# Altium PCB PCBDesign.PcbDoc (part 1 of 8) (continued)
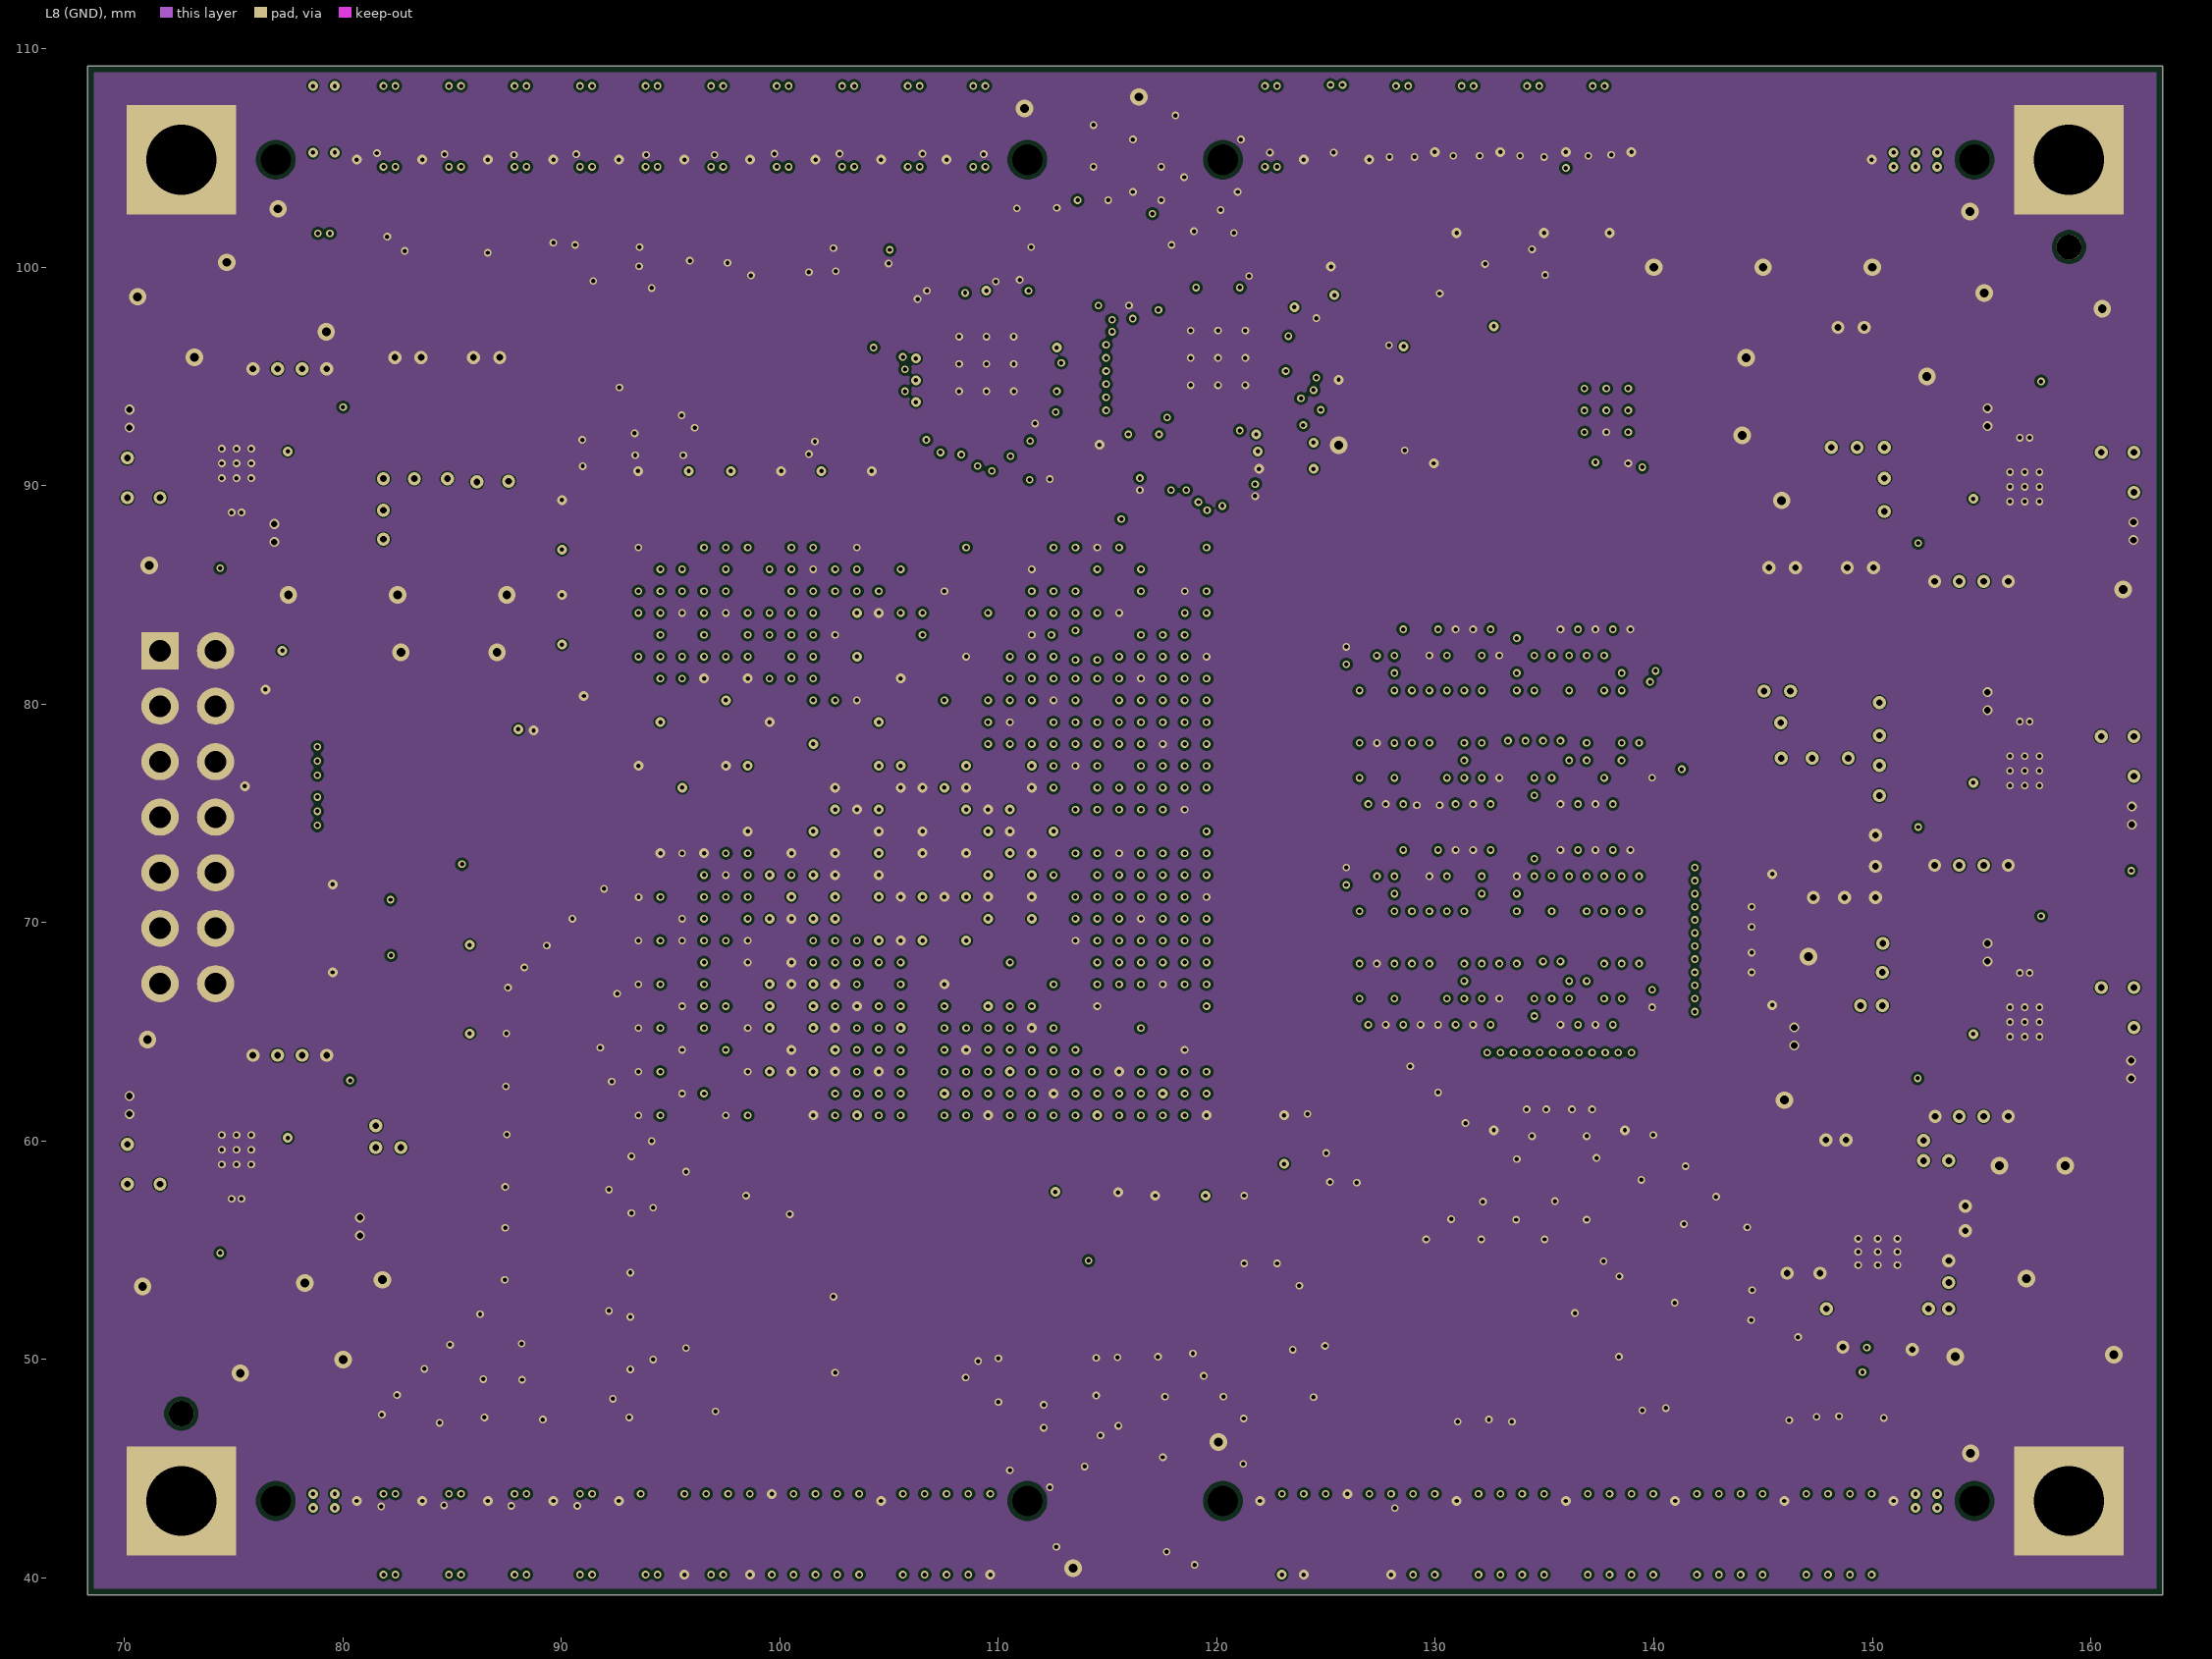
[diagram p8: L8 (GND)]
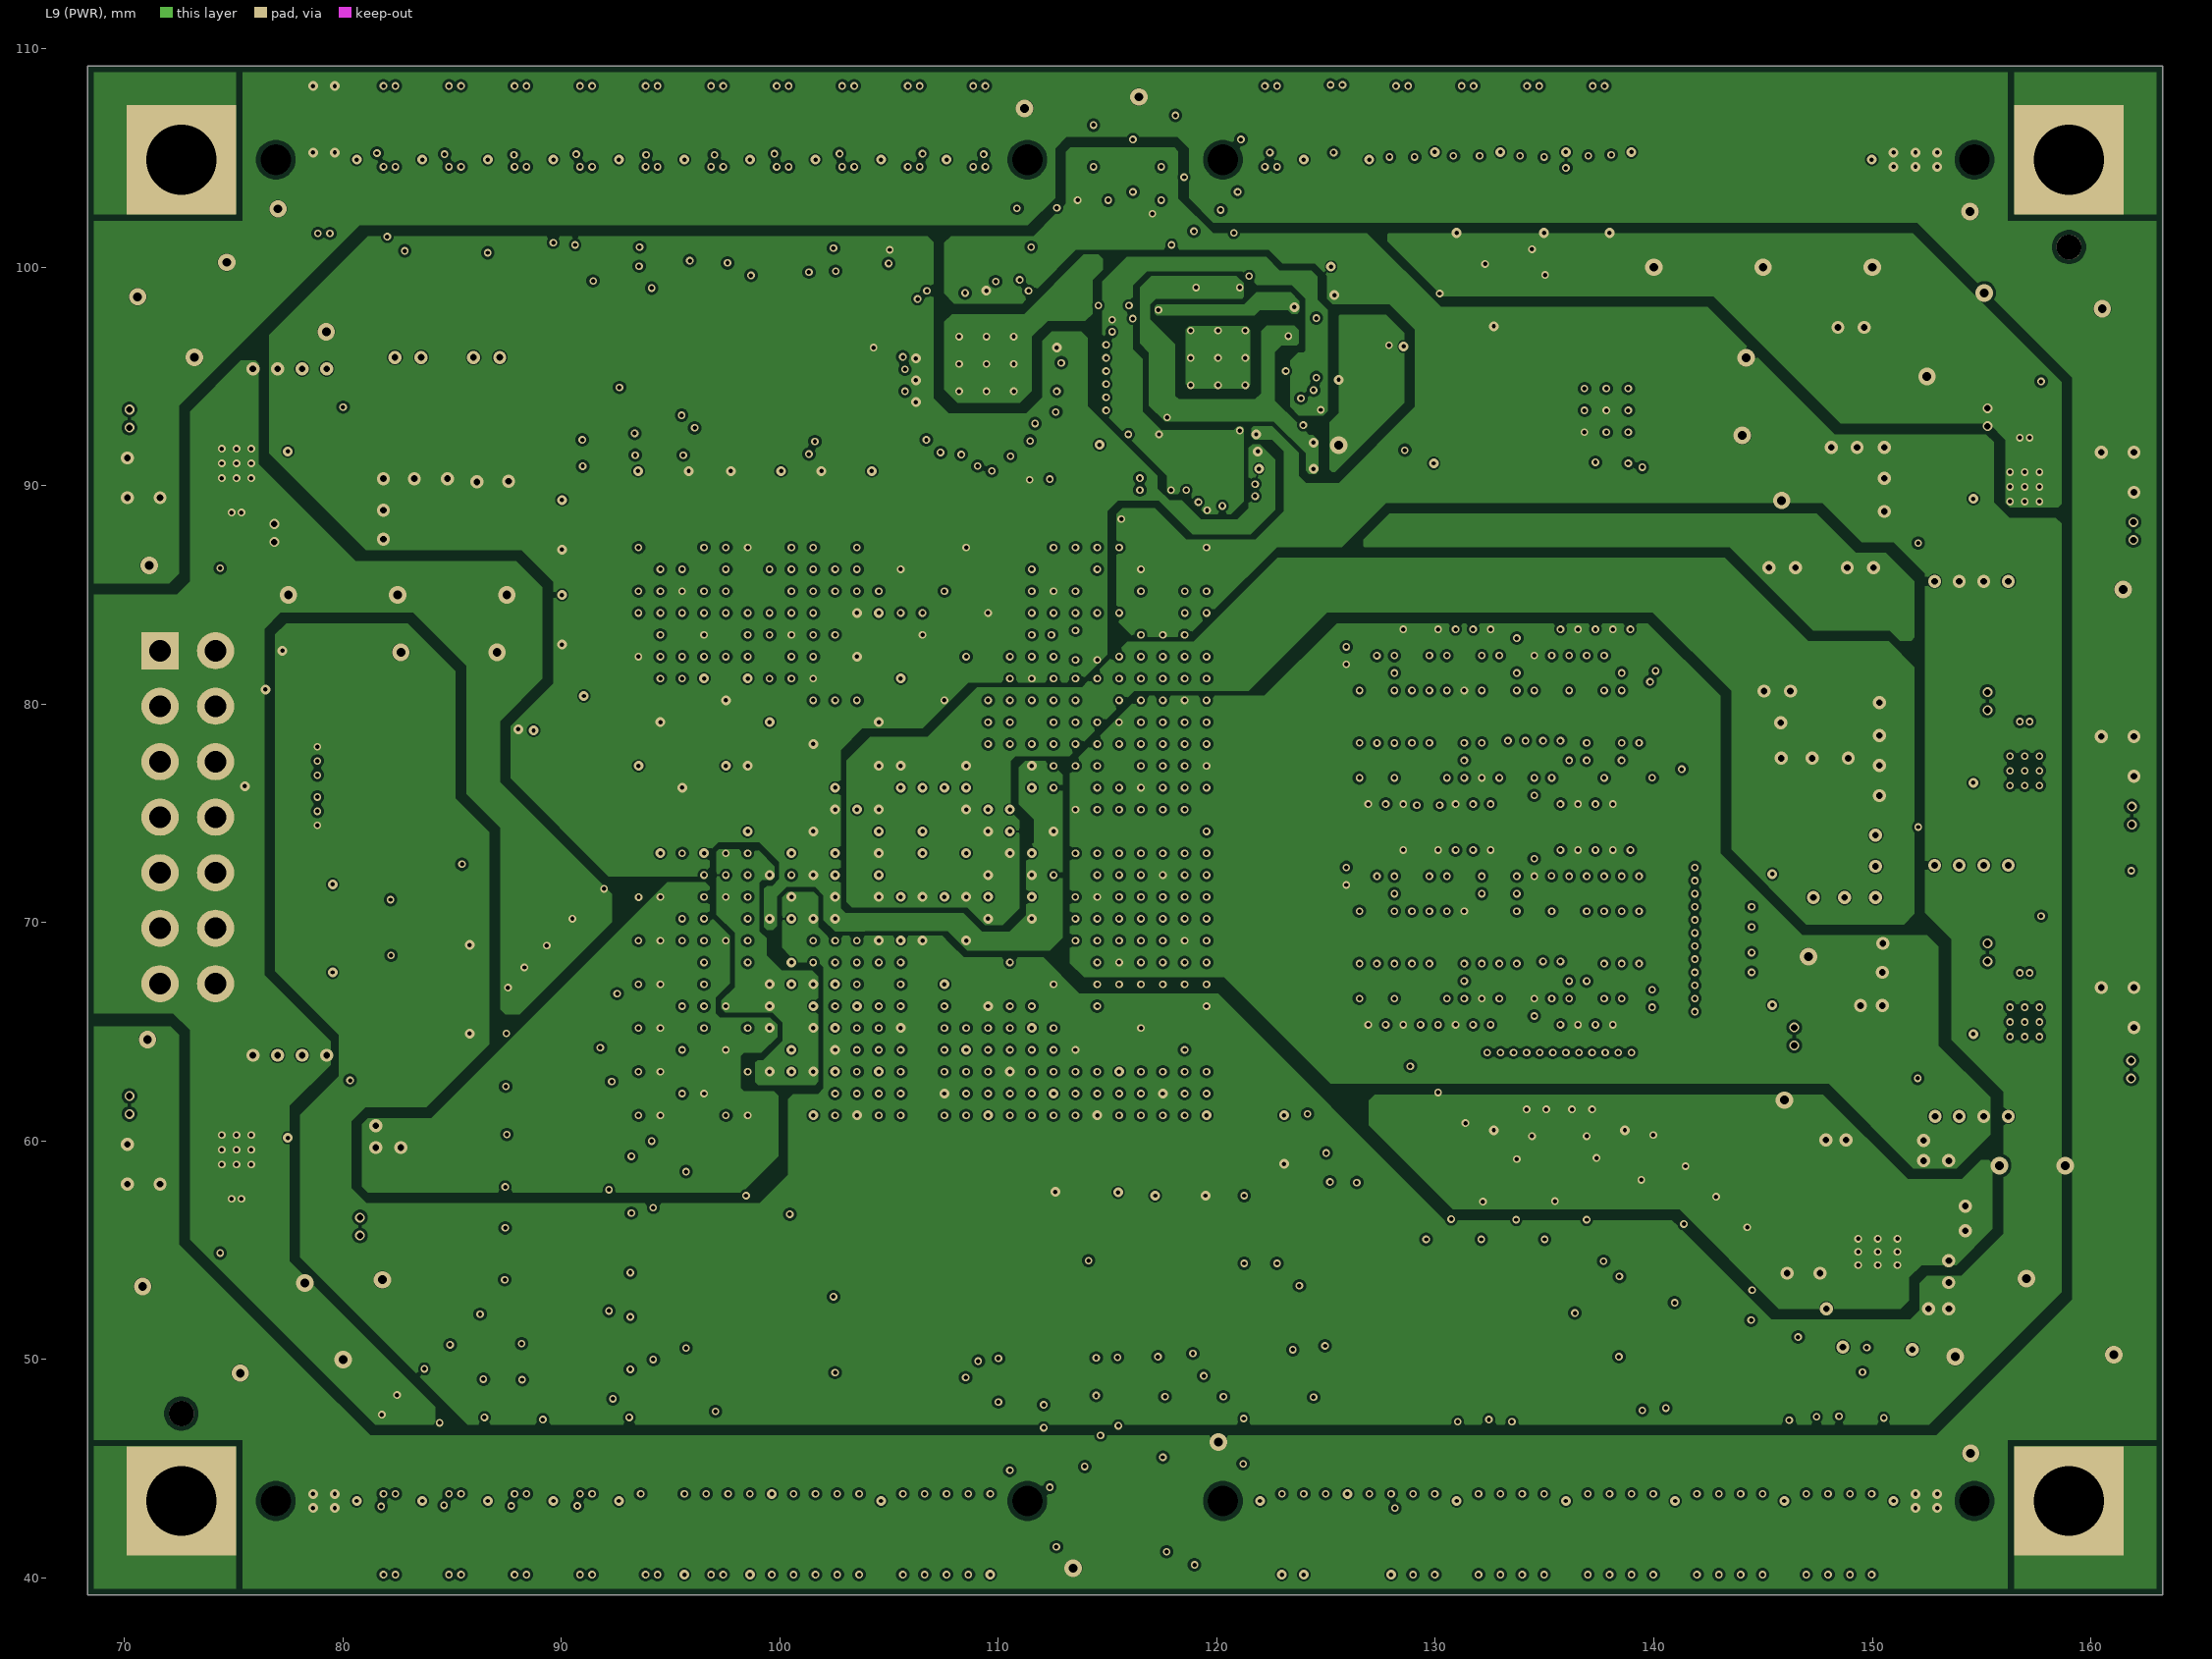
[diagram p9: L9 (PWR)]
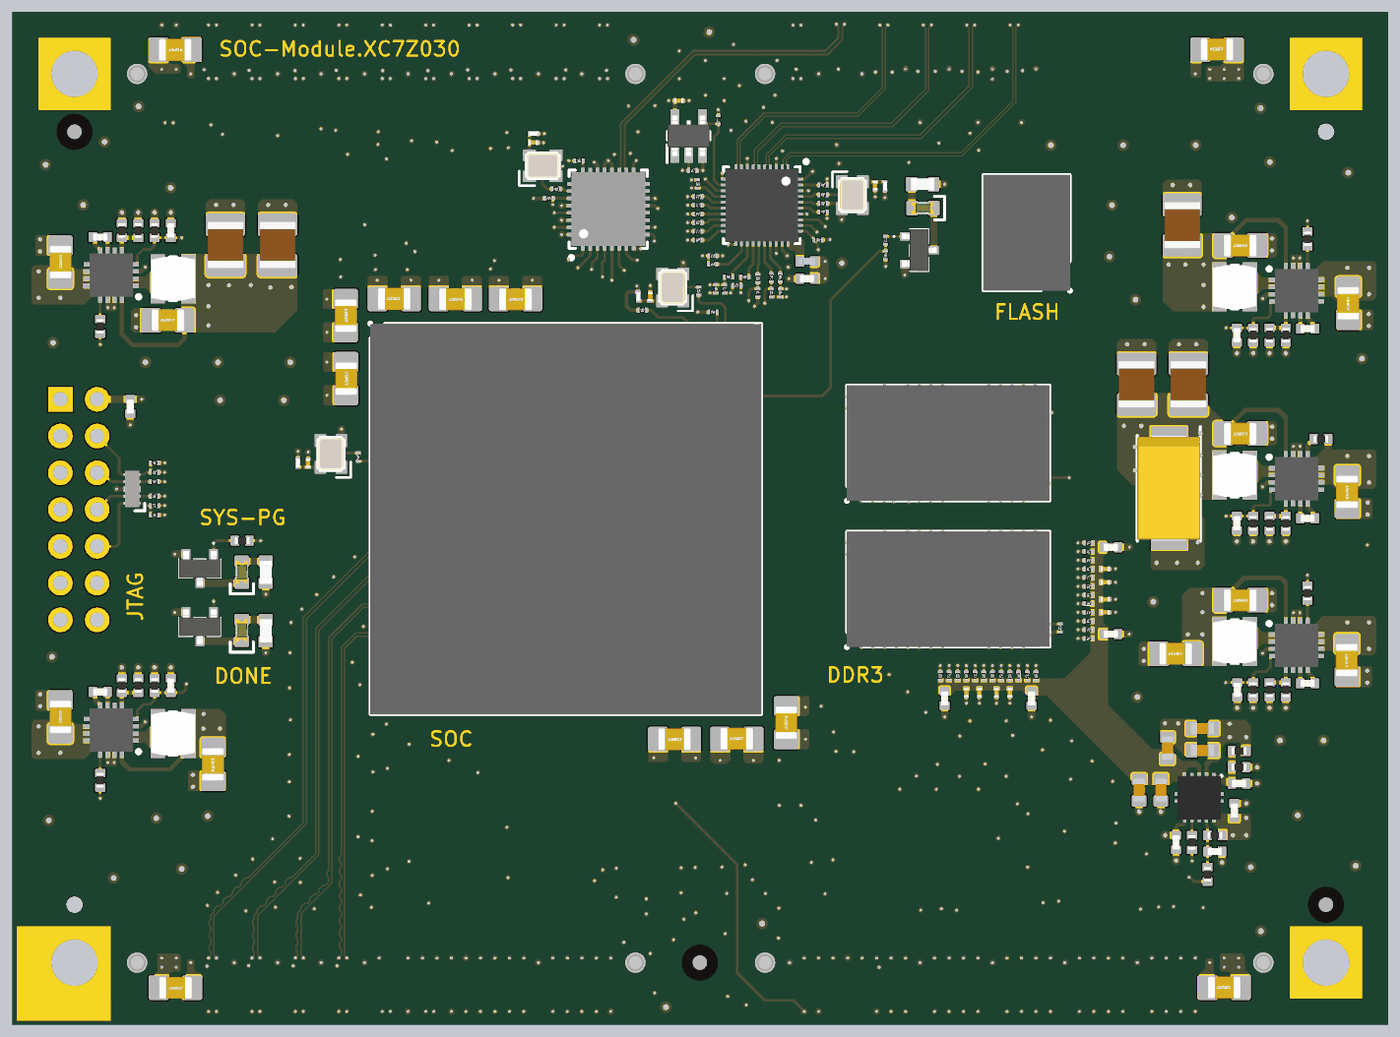
[diagram p17: 3D render of the assembled board from above, using the file's embedded part models]
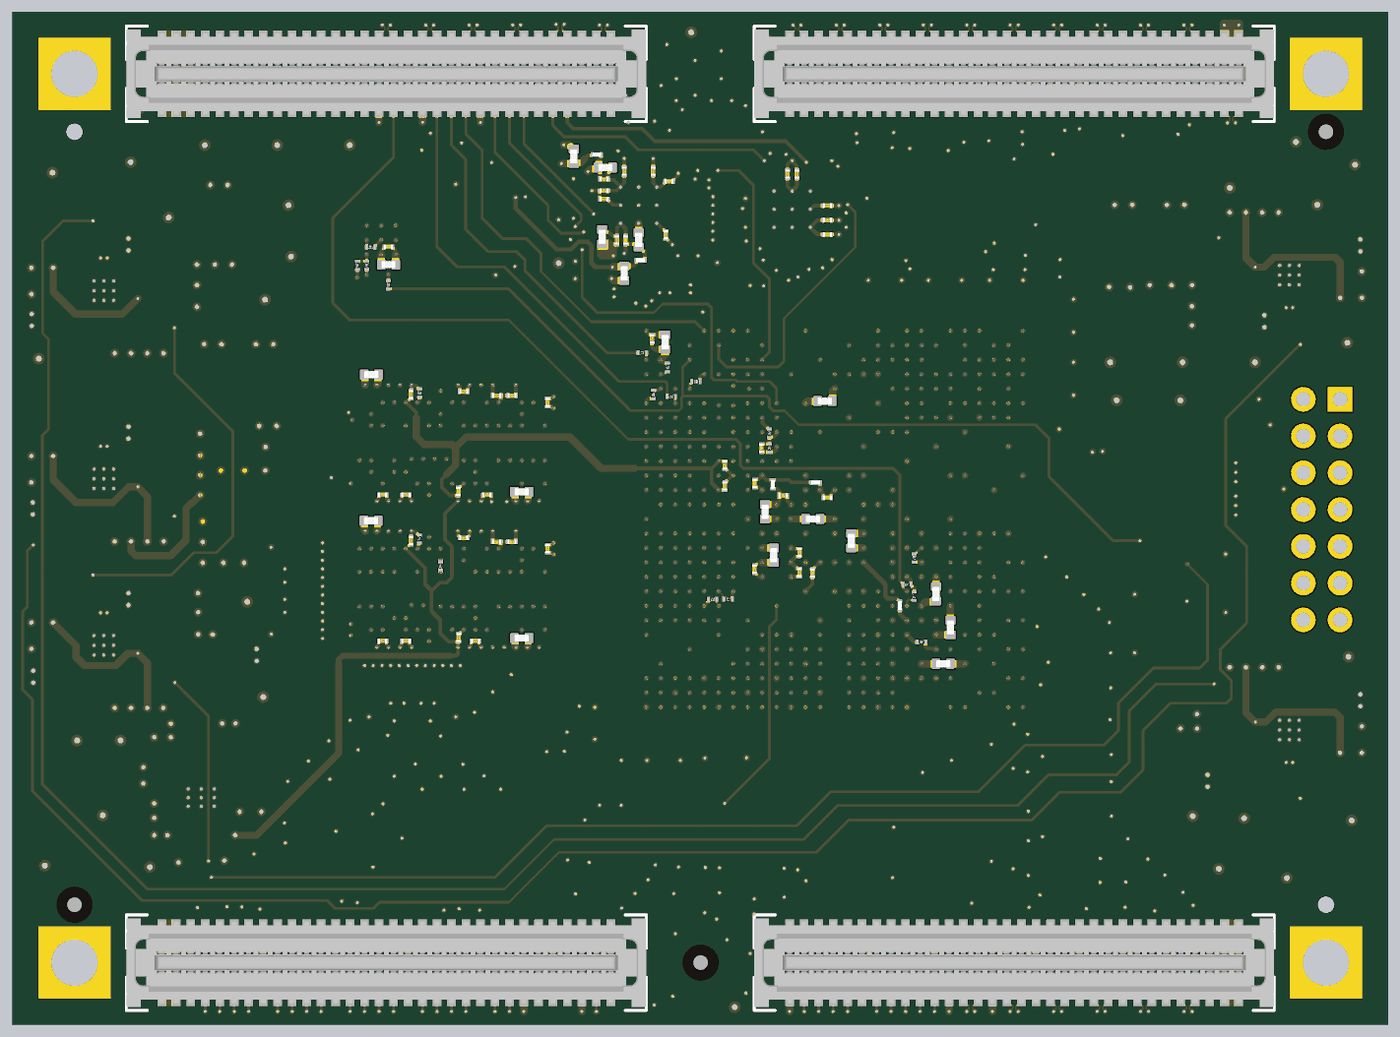
[diagram p18: 3D render of the assembled board from below, using the file's embedded part models]

## Layer stack, top to bottom
Top Solder: solder mask 0.0254, SM-001, Dk 3.9
L1 (Sig): signal copper 0.035
2116_1: prepreg 0.1194, PP-006, Dk 4.16
L2 (GND): signal copper 0.0152
Core_1: core 0.2, Core-016, Dk 4.6
L3 (Sig): signal copper 0.0152
2116_2: prepreg 0.1118, PP-006, Dk 4.16
L4 (GND): signal copper 0.0152
Core_2: core 0.2, Core-016, Dk 4.6
L5 (Sig): signal copper 0.0152
2116_3: prepreg 0.0559, PP-006, Dk 4.16
2116_4: prepreg 0.0559, PP-006, Dk 4.16
L6 (GND): signal copper 0.0152
Core_3: core 0.2, Core-016, Dk 4.6
L7 (Sig): signal copper 0.0152
2116_5: prepreg 0.1118, PP-006, Dk 4.16
L8 (GND): signal copper 0.0152
Core_4: core 0.2, Core-016, Dk 4.6
L9 (PWR): signal copper 0.0152
2116_6: prepreg 0.1194, PP-006, Dk 4.16
L10 (Sig): signal copper 0.035
Bottom Solder: solder mask 0.0254, SM-001, Dk 3.9

## Board outline
68.3,39.225 68.3,109.225 163.3,109.225 163.3,39.225

## Design rules (kind name [scope] priority, off if disabled: settings)
Clearance Clearance_1 [WithinRoom('SOC_BGA')] p1: gap=0.2 ignorepadtopadclearanceinfootprint=FALSE except(0.09: Arc-Arc Arc-Track Track-Track; 0.1: Arc-SMDPad Track-SMDPad; 0.127: Arc-Via Track-Via SMDPad-Via; 0.15: Arc-Fill Arc-Poly Arc-Region Track-Fill Track-Poly Track-Region SMDPad-SMDPad Via-Fill Via-Poly Via-Region)
Clearance Clearance_2 [WithinRoom('BGA_DDR_1')] p2: gap=0.2 ignorepadtopadclearanceinfootprint=FALSE except(0.09: Arc-Arc Arc-Track Track-Track; 0.1: Arc-SMDPad Track-SMDPad; 0.127: Arc-Via Track-Via SMDPad-Via; 0.15: Arc-Fill Arc-Poly Arc-Region Track-Fill Track-Poly Track-Region SMDPad-SMDPad Via-Fill Via-Poly Via-Region)
Clearance Clearance_3 [WithinRoom('BGA_DDR_2')] p3: gap=0.2 ignorepadtopadclearanceinfootprint=FALSE except(0.09: Arc-Arc Arc-Track Track-Track; 0.1: Arc-SMDPad Track-SMDPad; 0.127: Arc-Via Track-Via SMDPad-Via; 0.15: Arc-Fill Arc-Poly Arc-Region Track-Fill Track-Poly Track-Region SMDPad-SMDPad Via-Fill Via-Poly Via-Region)
Clearance [All] p4: gap=0.2 ignorepadtopadclearanceinfootprint=FALSE except(0.09: Arc-Arc Arc-Track Track-Track; 0.127: Arc-SMDPad Arc-Via Track-SMDPad Track-Via SMDPad-Via; 0.15: Arc-Fill Arc-Poly Arc-Region Track-Fill Track-Poly Track-Region SMDPad-SMDPad Via-Fill Via-Poly Via-Region)
ComponentClearance [All] p1: gap=0.1 collisioncheckmode=3 verticalgap=0.1 showdistances=FALSE
DiffPairsRouting [All] p1: maxlimit=0.254 minlimit=0.12 mostfreqgap=0.254 toplayer_maxgap=0.12 toplayer_prefgap=0.12 toplayer_minwidth=0.1 toplayer_maxwidth=0.1 toplayer_prefwidth=0.1 midlayer1_mingap=0.254 midlayer1_minwidth=0.381 midlayer1_maxwidth=0.381 midlayer1_prefwidth=0.381 midlayer2_mingap=0.15 midlayer2_maxgap=0.15 midlayer2_prefgap=0.15 midlayer2_minwidth=0.09 midlayer2_maxwidth=0.09 midlayer2_prefwidth=0.09 midlayer3_mingap=0.254 midlayer3_minwidth=0.381 midlayer3_maxwidth=0.381 midlayer3_prefwidth=0.381 midlayer4_mingap=0.15 midlayer4_maxgap=0.15 midlayer4_prefgap=0.15 midlayer4_minwidth=0.09 midlayer4_maxwidth=0.09 midlayer4_prefwidth=0.09 midlayer5_mingap=0.254 midlayer5_minwidth=0.381 midlayer5_maxwidth=0.381 midlayer5_prefwidth=0.381 midlayer6_mingap=0.15 midlayer6_maxgap=0.15 midlayer6_prefgap=0.15 midlayer6_minwidth=0.09 midlayer6_maxwidth=0.09 midlayer6_prefwidth=0.09 midlayer7_mingap=0.254 midlayer7_minwidth=0.381 midlayer7_maxwidth=0.381 midlayer7_prefwidth=0.381 midlayer8_mingap=0.254 midlayer8_minwidth=0.381 midlayer8_maxwidth=0.381 midlayer8_prefwidth=0.381 bottomlayer_maxgap=0.12 bottomlayer_prefgap=0.12 bottomlayer_minwidth=0.1 bottomlayer_maxwidth=0.1 bottomlayer_prefwidth=0.1 maxuncoupledlength=12.7
HoleSize [All] p1: absolutevalues=TRUE maxlimit=5 minlimit=0.2 maxpercent=80.000 minpercent=20.000
HoleToHoleClearance [All] p1: gap=0.2 allowstackedmicrovias=TRUE
MatchedLengths MatchedLengths_DDR_CLOCKS_STROBES [InxSignalClass('ADDR_PP1') OR InxSignalClass('ADDR_PP2')] p1: tolerance=2.54 checknetsindiffpair=TRUE checkdiffpairvsdiffpair=FALSE checkxsignals=FALSE checkothers=FALSE
MatchedLengths MatchedLengths_ADDR_PP2 [InxSignalClass('ADDR_PP2')] p2: tolerance=2.54 checknetsindiffpair=FALSE checkdiffpairvsdiffpair=TRUE checkxsignals=TRUE checkothers=TRUE
MatchedLengths MatchedLengths_ADDR_PP1 [InxSignalClass('ADDR_PP1')] p3: tolerance=2.54 checknetsindiffpair=FALSE checkdiffpairvsdiffpair=TRUE checkxsignals=TRUE checkothers=TRUE
MinimumSolderMaskSliver [All] p1: minsoldermaskwidth=0.1
PolygonConnect [All] p1: connectstyle=Direct reliefconductorwidth=0.254 reliefentries=4 polygonreliefangle="90 Angle" airgapwidth=0.254
RoomDefinition BGA_DDR_1 [InComponentClass('Room Definition3')] p1: confinementstyle=ConfineIn formatcopy=TRUE lockcomponents=FALSE outline 124.75,74.25 124.75,84.6 141.1,84.6 141.1,74.25
RoomDefinition BGA_DDR_2 [InComponentClass('Room Definition5')] p2: confinementstyle=ConfineIn formatcopy=TRUE lockcomponents=FALSE outline 124.75,64.15 124.75,74.5 141.1,74.5 141.1,64.15
RoomDefinition SOC_BGA [InComponentClass('Room Definition4')] p3: confinementstyle=ConfineIn formatcopy=TRUE lockcomponents=FALSE outline 92.725,60.475 92.725,87.975 120.225,87.975 120.225,60.475
RoutingTopology RoutingTopology_DDRAddressAndControls [InNetClass('DDR_AddressAndControls')] p1: topology=Daisy_Simple
RoutingTopology [All] p2: topology=Shortest
RoutingVias [All] p1: holewidth=0.2 width=0.35 viastyle="Through Hole" minholewidth=0.2 minwidth=0.35 maxholewidth=0.4 maxwidth=0.8
SilkToSolderMaskClearance [IsPad] p1: minsilkscreentomaskgap=0.15 clearancetoexposedcopper=TRUE
SolderMaskExpansion [All] p1: expansion=0.102 istentingtop=FALSE
SupplyNets "Schematic Supply Nets_20" [InNet('+1V8_PS_CLK')] p1: voltage=0.000
SupplyNets "Schematic Supply Nets_19" [InNet('+1V8_PL_CLK')] p2: voltage=0.000
SupplyNets "Schematic Supply Nets_18" [InNet('+1V0')] p3: voltage=0.000
SupplyNets "Schematic Supply Nets_17" [InNet('+1V8PLL')] p4: voltage=0.000
SupplyNets "Schematic Supply Nets_16" [InNet('+1V8_ETH_CLK')] p5: voltage=0.000
SupplyNets "Schematic Supply Nets_15" [InNet('+1V35DDR')] p6: voltage=0.000
SupplyNets "Schematic Supply Nets_14" [InNet('+0V675')] p7: voltage=0.000
SupplyNets "Schematic Supply Nets_13" [InNet('+1V8ETH')] p8: voltage=0.000
SupplyNets "Schematic Supply Nets_12" [InNet('+0V675REF')] p9: voltage=0.000
SupplyNets "Schematic Supply Nets_11" [InNet('+1V0MGT')] p10: voltage=0.000
SupplyNets "Schematic Supply Nets_10" [InNet('+3V3')] p11: voltage=0.000
SupplyNets "Schematic Supply Nets_9" [InNet('+1V0ETH')] p12: voltage=0.000
SupplyNets "Schematic Supply Nets_7" [InNet('+1V8_USB_CLK')] p13: voltage=0.000
SupplyNets "Schematic Supply Nets_5" [InNet('+1V8A')] p14: voltage=0.000
SupplyNets "Schematic Supply Nets_4" [InNet('GND')] p15: voltage=0.000
SupplyNets "Schematic Supply Nets_3" [InNet('+5V0')] p16: voltage=0.000
SupplyNets "Schematic Supply Nets_2" [InNet('+1V2')] p17: voltage=0.000
SupplyNets "Schematic Supply Nets_1" [InNet('+1V8')] p18: voltage=0.000
SupplyNets "Schematic Supply Nets" [InNet('+3V3ETH')] p19: voltage=0.000
Width [All] p1: maxlimit=0.5 minlimit=0.1 preferedwidth=0.185 midlayer2_maxwidth=0.11 midlayer2_prefwidth=0.1 midlayer4_maxwidth=0.11 midlayer4_prefwidth=0.1 midlayer6_prefwidth=0.1 minimp=50.000000 maximp=50.000000 favimp=50.000000
23 further rules are at their usual default settings.

## Classes and differential pairs
component class "Room Definition5": IC6
component class "Room Definition4": IC2
net class USB_DATA_LANE: USB_HS_D_N USB_HS_D_P
net class ETH_MDI: ETH_MDI0_N ETH_MDI0_P ETH_MDI1_N ETH_MDI1_P ETH_MDI2_N ETH_MDI2_P ETH_MDI3_N ETH_MDI3_P
net class LVDS_BUS: B33_IO_L3_N B33_IO_L3_P B33_IO_L4_N B33_IO_L4_P B33_IO_L5_N B33_IO_L5_P B33_IO_L6_N B33_IO_L6_P B34_IO_L3_N B34_IO_L3_P B34_IO_L7_N B34_IO_L7_P B34_IO_L8_N B34_IO_L8_P B34_IO_L9_N B34_IO_L9_P B34_IO_L10_N B34_IO_L10_P B34_IO_L12_N B34_IO_L12_P B34_IO_L13_N B34_IO_L13_P B34_IO_L14_N B34_IO_L14_P B34_IO_L15_N B34_IO_L15_P B34_IO_L16_N B34_IO_L16_P B34_IO_L17_N B34_IO_L17_P B34_IO_L18_N B34_IO_L18_P B34_IO_L19_N B34_IO_L19_P B34_IO_L20_N B34_IO_L20_P B34_IO_L22_N B34_IO_L22_P B34_IO_L23_N B34_IO_L23_P B34_IO_L24_N B34_IO_L24_P B35_IO_L19_N B35_IO_L19_P B35_IO_L23_N B35_IO_L23_P
net class IO_PAR_SINGLE: B12_IO1N B12_IO1P B12_IO2N B12_IO2P B12_IO3N B12_IO3P B12_IO4P B12_IO5N B12_IO6N B12_IO6P B12_IO7P B12_IO8N B12_IO8P B12_IO9N B12_IO9P B12_IO10N B12_IO10P B12_IO11N B12_IO11P B12_IO12N B12_IO12P B12_IO13P B12_IO14N B12_IO14P B12_IO15N B12_IO15P B12_IO16N B12_IO16P B12_IO17N B12_IO17P B12_IO18N B12_IO18P B12_IO19N B12_IO20N B12_IO20P B12_IO21N B12_IO21P B12_IO22N B13_IO3N B13_IO3P B13_IO4N B13_IO4P B13_IO5N B13_IO5P B13_IO7N B13_IO7P B13_IO8N B13_IO8P B13_IO11N B13_IO11P B13_IO13N B13_IO13P B13_IO15N B13_IO15P B13_IO16N B13_IO16P B13_IO17N B13_IO17P B13_IO18N B13_IO18P B13_IO21N B13_IO21P B13_IO22N B13_IO24N
net class MGT_CLK_LANES: MGT_REFCLK_0_N MGT_REFCLK_0_P MGT_REFCLK_1_N MGT_REFCLK_1_P
net class MGT_RX_LANES: MGT_RX_0_N MGT_RX_0_P MGT_RX_1_N MGT_RX_1_P MGT_RX_2_N MGT_RX_2_P MGT_RX_3_N MGT_RX_3_P
net class MGT_TX_LANES: MGT_TX_0_N MGT_TX_0_P MGT_TX_1_N MGT_TX_1_P MGT_TX_2_N MGT_TX_2_P MGT_TX_3_N MGT_TX_3_P
net class RGMII_TX: ETH_TXD0 ETH_TXD1 ETH_TXD2 ETH_TXD3 ETH_TXDCLK ETH_TXDCTL
net class RGMII_RX: ETH_RXD0 ETH_RXD1 ETH_RXD2 ETH_RXD3 ETH_RXDCLK ETH_RXDCTL
net class USB_ULPI: USB_CLK USB_DATA0 USB_DATA1 USB_DATA2 USB_DATA3 USB_DATA4 USB_DATA5 USB_DATA6 USB_DATA7 USB_DIR USB_NXT USB_STP
net class QSPI: QSPI_CLK_MIO6 QSPI_DQ0_MIO2 QSPI_DQ1_MIO3 QSPI_DQ2_MIO4 QSPI_DQ3_MIO5 QSPI_NCS
net class DDR_BL3: DDR_D24 DDR_D25 DDR_D26 DDR_D27 DDR_D28 DDR_D29 DDR_D30 DDR_D31 DDR_DM3 DDR_DQS3_N DDR_DQS3_P
net class DDR_BL2: DDR_D16 DDR_D17 DDR_D18 DDR_D19 DDR_D20 DDR_D21 DDR_D22 DDR_D23 DDR_DM2 DDR_DQS2_N DDR_DQS2_P
net class DDR_BL1: DDR_D8 DDR_D9 DDR_D10 DDR_D11 DDR_D12 DDR_D13 DDR_D14 DDR_D15 DDR_DM1 DDR_DQS1_N DDR_DQS1_P
net class DDR_BL0: DDR_D0 DDR_D1 DDR_D2 DDR_D3 DDR_D4 DDR_D5 DDR_D6 DDR_D7 DDR_DM0 DDR_DQS0_N DDR_DQS0_P
net class DDR_ACC: DDR_A0 DDR_A1 DDR_A2 DDR_A3 DDR_A4 DDR_A5 DDR_A6 DDR_A7 DDR_A8 DDR_A9 DDR_A10 DDR_A11 DDR_A12 DDR_A13 DDR_A14 DDR_BA0 DDR_BA1 DDR_BA2 DDR_CAS# DDR_CK_E DDR_CK_N DDR_CK_P DDR_CS# DDR_ODT DDR_RAS# DDR_RESET# DDR_WE#
component class "Room Definition3": IC5
component class "Room Definition2": IC5
component class PLBank33: C63 FB4 R37 X1
component class SOCUSBHSPHY: C121 C122 C123 C124 C125 C126 FB9 R114 R115 R116 U2 X4
component class SOCPSBanks: C64 C65 C66 C67 C68 D4 FB5 IC3 IC4 Q3 R39 R40 R41 R42 R43 R44 R45 R46 R47 R48 R49 R50 R51 R52 R53 R54 R55 R56 R57 R58 R59 R60 R61 R62 R63 R64 X2
component class SOCPowerSupplys: B1 B2 B3 B4 B5 C1 C2 C3 C4 C5 C6 C7 C8 C9 C10 C11 C12 C13 C14 C15 C16 C17 C18 C19 C20 C21 C22 C23 C24 C25 C26 C27 C28 C29 D1 IC1 L1 L2 L3 L4 L5 Q1 R1 R2 R3 R4 R5 R6 R7 R8 R9 R10 R11 R12 R13 R14 R15 R16 R17 R18 R19 R20 R21 R22 R23 R24 R25 R26
component class SOCPowerDecoupling: C30 C31 C32 C33 C34 C35 C36 C37 C38 C39 C40 C41 C42 C43 C44 C45 C46 C47 C48 C49 C50 C51 C52 C53 C54 C55 C56 C57 C58 C59 C60 C61 FB1 FB2 FB3 IC2
component class SOCEthernetPHY: C105 C106 C107 C108 C109 C110 C111 C112 C113 C114 C115 C116 C117 C118 C119 C120 FB6 FB7 FB8 L6 R95 R96 R97 R98 R99 R100 R101 R102 R103 R104 R105 R106 R107 R108 R109 R110 R111 R112 R113 U1 X3
component class SOCDDR3Bank: C69 C70 C71 C72 C73 C74 C75 C76 C77 C78 C79 C80 C81 C82 R65 R66 R67 R68 R69 R70 R71 R72 R73 R74 R75 R76 R77 R78 R79 R80 R81 R82 R83 R84 R85 R86 R87 R88 R89 R90 R91 R92
component class SOCConfiguration: C62 D2 D3 J1 Q2 R27 R28 R29 R30 R31 R32 R33 R34 R35 R36
component class PLMGTBanks: R38
component class MezzanineConnections: C127 C128 C129 C130 J2 J3 J4 J5
component class DDR3Modules: C83 C84 C85 C86 C87 C88 C89 C90 C91 C92 C93 C94 C95 C96 C97 C98 C99 C100 C101 C102 C103 C104 IC5 IC6 R93 R94
differential pair B33_IO_L3: +B33_IO_L3_P -B33_IO_L3_N
differential pair B34_IO_L23: +B34_IO_L23_P -B34_IO_L23_N
differential pair B34_IO_L12: +B34_IO_L12_P -B34_IO_L12_N
differential pair B34_IO_L10: +B34_IO_L10_P -B34_IO_L10_N
differential pair B34_IO_L9: +B34_IO_L9_P -B34_IO_L9_N
differential pair B34_IO_L7: +B34_IO_L7_P -B34_IO_L7_N
differential pair B34_IO_L3: +B34_IO_L3_P -B34_IO_L3_N
differential pair B35_IO_L23: +B35_IO_L23_P -B35_IO_L23_N
differential pair B35_IO_L19: +B35_IO_L19_P -B35_IO_L19_N
differential pair B34_IO_L24: +B34_IO_L24_P -B34_IO_L24_N
differential pair B34_IO_L22: +B34_IO_L22_P -B34_IO_L22_N
differential pair B34_IO_L20: +B34_IO_L20_P -B34_IO_L20_N
differential pair B34_IO_L19: +B34_IO_L19_P -B34_IO_L19_N
differential pair B34_IO_L18: +B34_IO_L18_P -B34_IO_L18_N
differential pair B34_IO_L17: +B34_IO_L17_P -B34_IO_L17_N
differential pair B34_IO_L16: +B34_IO_L16_P -B34_IO_L16_N
differential pair B34_IO_L15: +B34_IO_L15_P -B34_IO_L15_N
differential pair B34_IO_L14: +B34_IO_L14_P -B34_IO_L14_N
differential pair B34_IO_L13: +B34_IO_L13_P -B34_IO_L13_N
differential pair B34_IO_L8: +B34_IO_L8_P -B34_IO_L8_N
differential pair B33_IO_L6: +B33_IO_L6_P -B33_IO_L6_N
differential pair B33_IO_L5: +B33_IO_L5_P -B33_IO_L5_N
differential pair B33_IO_L4: +B33_IO_L4_P -B33_IO_L4_N
differential pair USB_HS_D: +USB_HS_D_P -USB_HS_D_N
differential pair MGT_TX_3: +MGT_TX_3_P -MGT_TX_3_N